# KiCad board panel-74pad-70pin-mezzanine.kicad_pcb (continued)
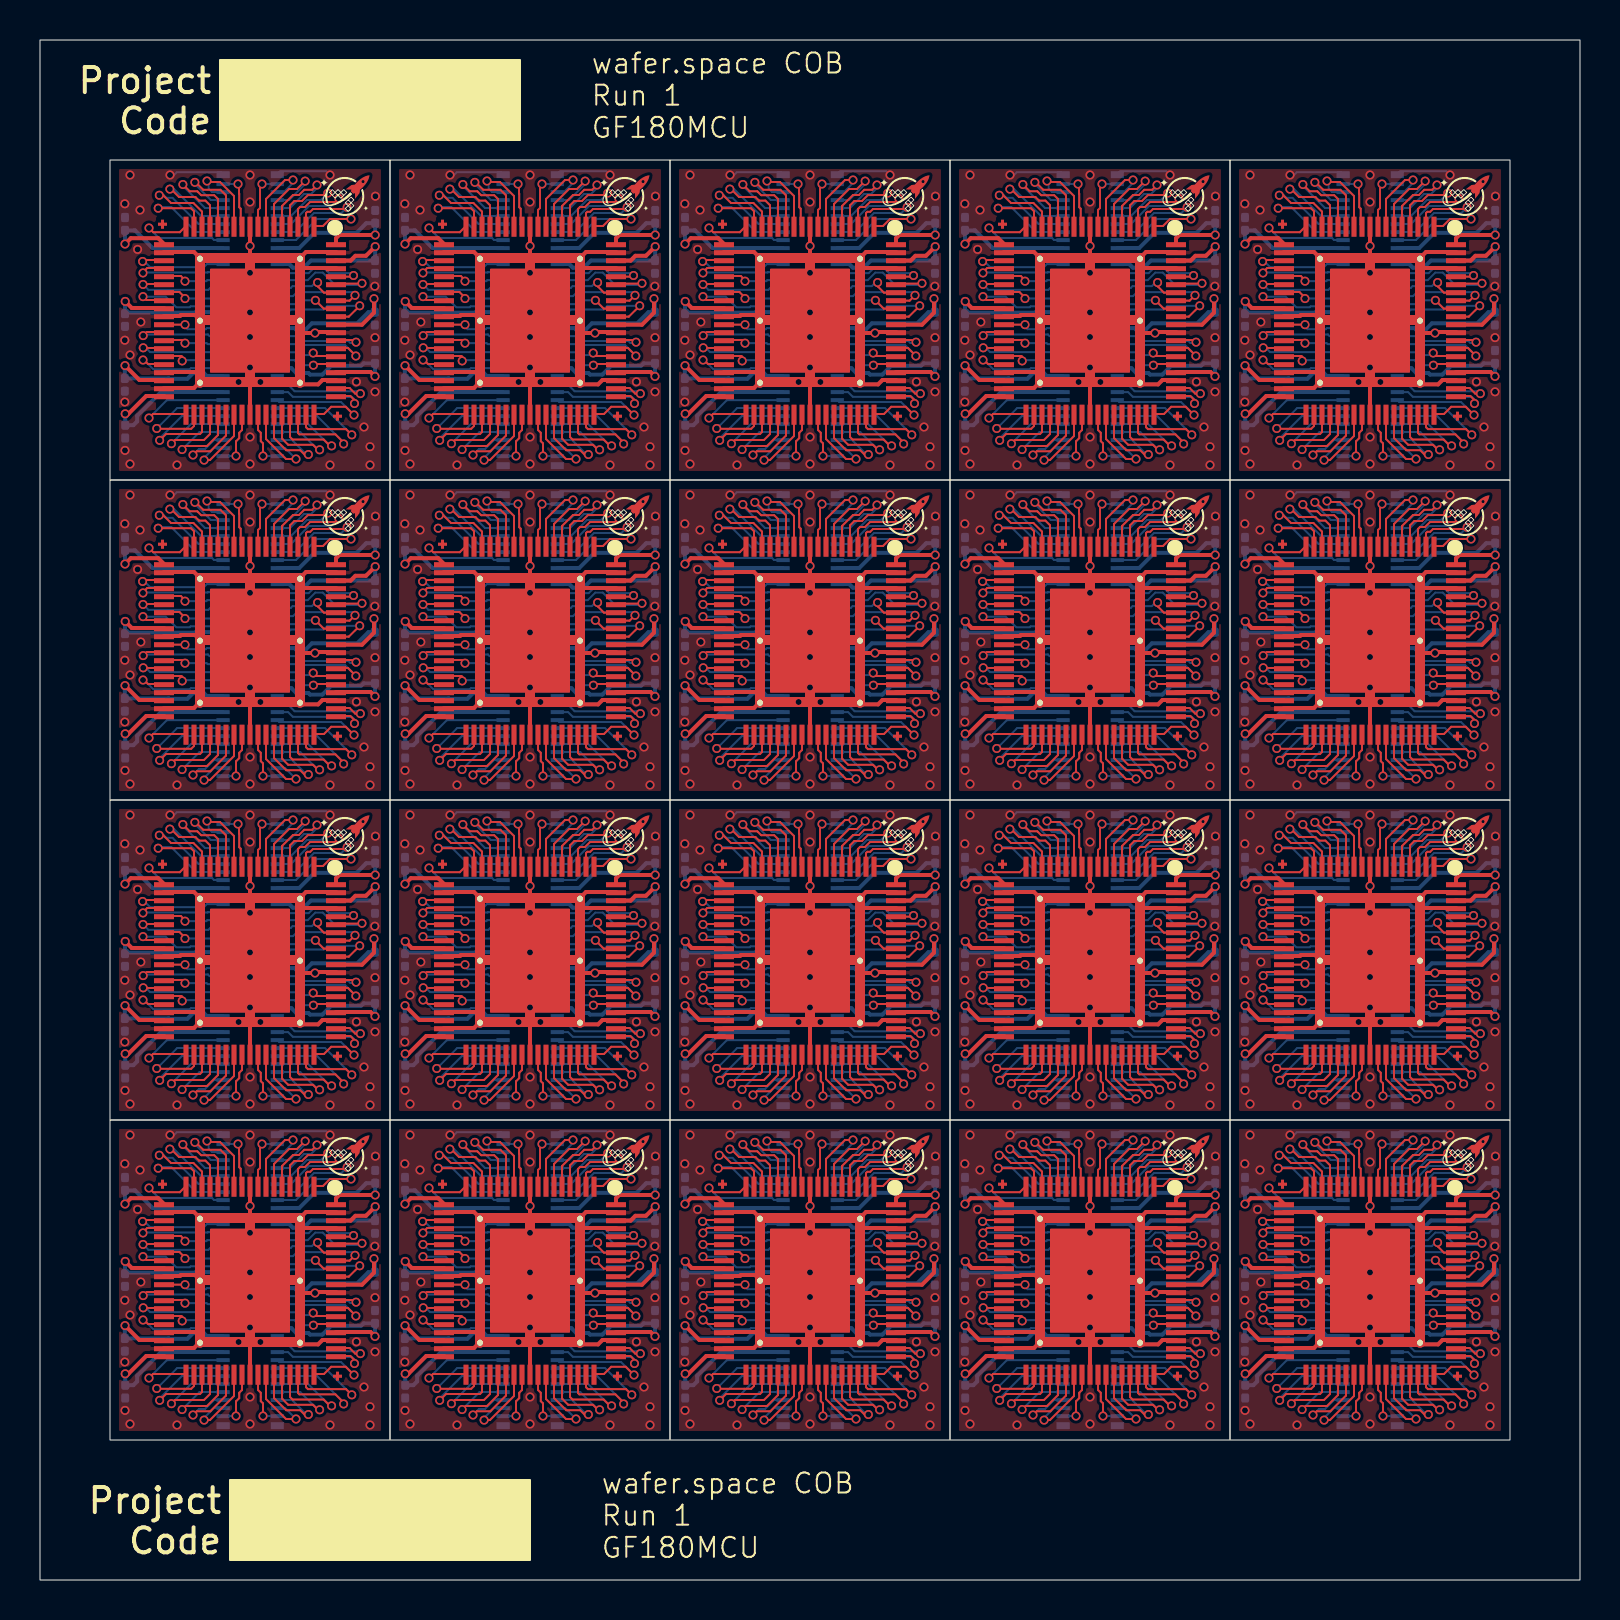
[diagram p0: board, top side]
## Routing (per net, layer and track width the routed paths; a pad name or vN(x,y) marks a point on that pad's centre or on a via; arc(x,y) is an arc through that point) (continued)
/pad_59: length 62.3
  Top w0.1: 42.8,13.2 41.79,13.2 41.66,13.33 v1(41.66,13.35) ; 70.8,61.2 69.78,61.2 69.66,61.33 v1(69.66,61.35) ; 70.8,45.2 69.78,45.2 69.66,45.33 v1(69.66,45.35) ; v1(13.66,29.35) 13.66,29.33 13.79,29.2 14.8,29.2 ; 14.8,45.2 13.79,45.2 13.66,45.33 v1(13.66,45.35) ; v1(27.66,61.35) 27.66,61.33 27.79,61.2 28.8,61.2 ; 42.8,61.2 41.79,61.2 41.66,61.33 v1(41.66,61.35) ; 28.8,45.2 27.79,45.2 27.66,45.33 v1(27.66,45.35) ; 56.8,61.2 55.79,61.2 55.66,61.33 v1(55.66,61.35) ; v1(69.66,29.35) 69.66,29.33 69.78,29.2 70.8,29.2 ; v1(41.66,29.35) 41.66,29.33 41.79,29.2 42.8,29.2 ; 28.8,29.2 27.79,29.2 27.66,29.33 v1(27.66,29.35) ; 28.8,13.2 27.79,13.2 27.66,13.33 v1(27.66,13.35) ; v1(55.66,45.35) 55.66,45.33 55.79,45.2 56.8,45.2 ; v1(13.66,13.35) 13.66,13.33 13.79,13.2 14.8,13.2 ; 14.8,61.2 13.79,61.2 13.66,61.33 v1(13.66,61.35) ; 42.8,45.2 41.79,45.2 41.66,45.33 v1(41.66,45.35) ; v1(69.66,13.35) 69.66,13.33 69.78,13.2 70.8,13.2 ; 56.8,29.2 55.79,29.2 55.66,29.33 v1(55.66,29.35) ; 56.8,13.2 55.79,13.2 55.66,13.33 v1(55.66,13.35)
  Bottom w0.1: 39.87,45.39 39.87,45.39 40.86,45.39 41,45.25 41.56,45.25 v1(41.66,45.35) ; v1(27.66,45.35) 27.56,45.25 27,45.25 26.86,45.39 25.87,45.39 25.87,45.39 ; v1(13.66,45.35) 13.56,45.25 13,45.25 12.86,45.39 11.87,45.39 11.87,45.39 ; v1(41.66,13.35) 41.56,13.25 41,13.25 40.86,13.39 39.87,13.39 39.87,13.39 ; v1(69.66,29.35) 69.56,29.25 69,29.25 68.86,29.39 67.88,29.39 67.87,29.39 ; v1(27.66,13.35) 27.56,13.25 27,13.25 26.86,13.39 25.87,13.39 25.87,13.39 ; v1(55.66,45.35) 55.56,45.25 55,45.25 54.86,45.39 53.87,45.39 53.87,45.39 ; U105.22 39.87,61.38 40.86,61.38 41,61.25 41.56,61.25 v1(41.66,61.35) ; U101.22 11.87,61.38 12.86,61.38 13,61.25 13.56,61.25 v1(13.66,61.35) ; v1(27.66,29.35) 27.56,29.25 27,29.25 26.86,29.39 25.87,29.39 25.87,29.39 ; v1(27.66,61.35) 27.56,61.25 27,61.25 26.86,61.38 25.87,61.38 U103.22 ; v1(69.66,45.35) 69.56,45.25 69,45.25 68.86,45.39 67.88,45.39 67.87,45.39 ; 53.87,29.39 53.87,29.39 54.86,29.39 55,29.25 55.56,29.25 v1(55.66,29.35) ; 53.87,13.39 53.87,13.39 54.86,13.39 55,13.25 55.56,13.25 v1(55.66,13.35) ; v1(41.66,29.35) 41.56,29.25 41,29.25 40.86,29.39 39.87,29.39 39.87,29.39 ; 11.87,13.39 11.87,13.39 12.86,13.39 13,13.25 13.56,13.25 v1(13.66,13.35) ; v1(13.66,29.35) 13.56,29.25 13,29.25 12.86,29.39 11.87,29.39 11.87,29.39 ; U107.22 53.87,61.38 54.86,61.38 55,61.25 55.56,61.25 v1(55.66,61.35) ; U109.22 67.88,61.38 68.86,61.38 69,61.25 69.56,61.25 v1(69.66,61.35) ; 67.87,13.39 67.88,13.39 68.86,13.39 69,13.25 69.56,13.25 v1(69.66,13.35)
/pad_60: length 109.2
  Top w0.1: v1(71.79,13.2) 71.79,13.28 71.8,13.29 71.71,13.29 71.4,13.6 70.8,13.6 ; v1(29.79,29.2) 29.79,29.28 29.8,29.29 29.71,29.29 29.4,29.6 28.8,29.6 ; 56.8,13.6 57.4,13.6 57.71,13.29 57.8,13.29 57.79,13.28 v1(57.79,13.2) ; 56.8,61.6 57.4,61.6 57.71,61.29 57.8,61.29 57.79,61.28 v1(57.79,61.2) ; v1(29.79,61.2) 29.79,61.28 29.8,61.29 29.71,61.29 29.4,61.6 28.8,61.6 ; v1(29.79,45.2) 29.79,45.28 29.8,45.29 29.71,45.29 29.4,45.6 28.8,45.6 ; v1(71.79,61.2) 71.79,61.28 71.8,61.29 71.71,61.29 71.4,61.6 70.8,61.6 ; 14.8,61.6 15.4,61.6 15.71,61.29 15.8,61.29 15.79,61.28 v1(15.79,61.2) ; v1(29.79,13.2) 29.79,13.28 29.8,13.29 29.71,13.29 29.4,13.6 28.8,13.6 ; v1(15.79,13.2) 15.79,13.28 15.8,13.29 15.71,13.29 15.4,13.6 14.8,13.6 ; 42.8,29.6 43.4,29.6 43.71,29.29 43.8,29.29 43.79,29.28 v1(43.79,29.2) ; v1(43.79,13.2) 43.79,13.28 43.8,13.29 43.71,13.29 43.4,13.6 42.8,13.6 ; v1(15.79,45.2) 15.79,45.28 15.8,45.29 15.71,45.29 15.4,45.6 14.8,45.6 ; 14.8,29.6 15.4,29.6 15.71,29.29 15.8,29.29 15.79,29.28 v1(15.79,29.2) ; 56.8,45.6 57.4,45.6 57.71,45.29 57.8,45.29 57.79,45.28 v1(57.79,45.2) ; 42.8,45.6 43.4,45.6 43.71,45.29 43.8,45.29 43.79,45.28 v1(43.79,45.2) ; v1(71.79,45.2) 71.79,45.28 71.8,45.29 71.71,45.29 71.4,45.6 70.8,45.6 ; v1(57.79,29.2) 57.79,29.28 57.8,29.29 57.71,29.29 57.4,29.6 56.8,29.6 ; v1(71.79,29.2) 71.79,29.28 71.8,29.29 71.71,29.29 71.4,29.6 70.8,29.6 ; v1(43.79,61.2) 43.79,61.28 43.8,61.29 43.71,61.29 43.4,61.6 42.8,61.6
  Bottom w0.1: U125.21 40.95,29.8 40.99,29.75 43.25,29.75 43.71,29.29 43.8,29.29 43.79,29.28 v1(43.79,29.2) ; v1(29.79,45.2) 29.79,45.28 29.8,45.29 29.71,45.29 29.25,45.75 26.99,45.75 26.95,45.8 U113.21 ; U117.21 54.95,45.8 54.99,45.75 57.25,45.75 57.71,45.29 57.8,45.29 57.79,45.28 v1(57.79,45.2) ; v1(43.79,61.2) 43.79,61.28 43.8,61.29 43.71,61.29 43.25,61.75 40.99,61.75 40.95,61.8 U105.21 ; v1(15.79,29.2) 15.79,29.28 15.8,29.29 15.71,29.29 15.25,29.75 12.99,29.75 12.95,29.8 U121.21 ; U107.21 54.95,61.8 54.99,61.75 57.25,61.75 57.71,61.29 57.8,61.29 57.79,61.28 v1(57.79,61.2) ; v1(71.79,45.2) 71.79,45.28 71.8,45.29 71.71,45.29 71.25,45.75 69,45.75 68.95,45.8 U119.21 ; v1(57.79,13.2) 57.79,13.28 57.8,13.29 57.71,13.29 57.25,13.75 54.99,13.75 54.95,13.8 U137.21 ; v1(29.79,61.2) 29.79,61.28 29.8,61.29 29.71,61.29 29.25,61.75 26.99,61.75 26.95,61.8 U103.21 ; v1(15.79,13.2) 15.79,13.28 15.8,13.29 15.71,13.29 15.25,13.75 12.99,13.75 12.95,13.8 U131.21 ; U101.21 12.95,61.8 12.99,61.75 15.25,61.75 15.71,61.29 15.8,61.29 15.79,61.28 v1(15.79,61.2) ; U115.21 40.95,45.8 40.99,45.75 43.25,45.75 43.71,45.29 43.8,45.29 43.79,45.28 v1(43.79,45.2) ; U109.21 68.95,61.8 69,61.75 71.25,61.75 71.71,61.29 71.8,61.29 71.79,61.28 v1(71.79,61.2) ; v1(15.79,45.2) 15.79,45.28 15.8,45.29 15.71,45.29 15.25,45.75 12.99,45.75 12.95,45.8 U111.21 ; v1(29.79,29.2) 29.79,29.28 29.8,29.29 29.71,29.29 29.25,29.75 26.99,29.75 26.95,29.8 U123.21 ; v1(29.79,13.2) 29.79,13.28 29.8,13.29 29.71,13.29 29.25,13.75 26.99,13.75 26.95,13.8 U133.21 ; v1(71.79,29.2) 71.79,29.28 71.8,29.29 71.71,29.29 71.25,29.75 69,29.75 68.95,29.8 U129.21 ; v1(43.79,13.2) 43.79,13.28 43.8,13.29 43.71,13.29 43.25,13.75 40.99,13.75 40.95,13.8 U135.21 ; v1(57.79,29.2) 57.79,29.28 57.8,29.29 57.71,29.29 57.25,29.75 54.99,29.75 54.95,29.8 U127.21 ; U139.21 68.95,13.8 69,13.75 71.25,13.75 71.71,13.29 71.8,13.29 71.79,13.28 v1(71.79,13.2)
/pad_61: length 104.4
  Top w0.1: 56.8,30 57.71,30 57.8,29.9 v1(57.8,29.89) ; 42.8,62 43.71,62 43.8,61.9 v1(43.8,61.89) ; 42.8,30 43.71,30 43.8,29.9 v1(43.8,29.89) ; v1(43.8,13.89) 43.8,13.9 43.71,14 42.8,14 ; 28.8,14 29.71,14 29.8,13.9 v1(29.8,13.89) ; 56.8,46 57.71,46 57.8,45.9 v1(57.8,45.89) ; 70.8,30 71.71,30 71.8,29.9 v1(71.8,29.89) ; 28.8,62 29.71,62 29.8,61.9 v1(29.8,61.89) ; v1(71.8,13.89) 71.8,13.9 71.71,14 70.8,14 ; 14.8,62 15.71,62 15.8,61.9 v1(15.8,61.89) ; 14.8,30 15.71,30 15.8,29.9 v1(15.8,29.89) ; 70.8,62 71.71,62 71.8,61.9 v1(71.8,61.89) ; v1(29.8,29.89) 29.8,29.9 29.71,30 28.8,30 ; v1(43.8,45.89) 43.8,45.9 43.71,46 42.8,46 ; 70.8,46 71.71,46 71.8,45.9 v1(71.8,45.89) ; v1(15.8,13.89) 15.8,13.9 15.71,14 14.8,14 ; 28.8,46 29.71,46 29.8,45.9 v1(29.8,45.89) ; v1(57.8,61.89) 57.8,61.9 57.71,62 56.8,62 ; v1(57.8,13.89) 57.8,13.9 57.71,14 56.8,14 ; 14.8,46 15.71,46 15.8,45.9 v1(15.8,45.89)
  Bottom w0.1: U113.20 27,46.2 27.24,45.95 29.42,45.95 29.52,45.85 29.71,45.85 29.8,45.94 v1(29.8,45.89) ; U107.20 55,62.2 55.24,61.95 57.42,61.95 57.52,61.85 57.71,61.85 57.8,61.94 v1(57.8,61.89) ; U117.20 55,46.2 55.24,45.95 57.42,45.95 57.52,45.85 57.71,45.85 57.8,45.94 v1(57.8,45.89) ; v1(71.8,45.89) 71.8,45.94 71.71,45.85 71.52,45.85 71.42,45.95 69.24,45.95 69,46.2 U119.20 ; U139.20 69,14.2 69.24,13.95 71.42,13.95 71.52,13.85 71.71,13.85 71.8,13.94 v1(71.8,13.89) ; U121.20 13,30.2 13.24,29.95 15.42,29.95 15.52,29.85 15.71,29.85 15.8,29.94 v1(15.8,29.89) ; U135.20 41,14.2 41.24,13.95 43.42,13.95 43.52,13.85 43.71,13.85 43.8,13.94 v1(43.8,13.89) ; v1(15.8,45.89) 15.8,45.94 15.71,45.85 15.52,45.85 15.42,45.95 13.24,45.95 13,46.2 U111.20 ; U125.20 41,30.2 41.24,29.95 43.42,29.95 43.52,29.85 43.71,29.85 43.8,29.94 v1(43.8,29.89) ; U109.20 69,62.2 69.24,61.95 71.42,61.95 71.52,61.85 71.71,61.85 71.8,61.94 v1(71.8,61.89) ; v1(29.8,29.89) 29.8,29.94 29.71,29.85 29.52,29.85 29.42,29.95 27.24,29.95 27,30.2 U123.20 ; v1(15.8,61.89) 15.8,61.94 15.71,61.85 15.52,61.85 15.42,61.95 13.24,61.95 13,62.2 U101.20 ; U137.20 55,14.2 55.24,13.95 57.42,13.95 57.52,13.85 57.71,13.85 57.8,13.94 v1(57.8,13.89) ; v1(57.8,29.89) 57.8,29.94 57.71,29.85 57.52,29.85 57.42,29.95 55.24,29.95 55,30.2 U127.20 ; U133.20 27,14.2 27.24,13.95 29.42,13.95 29.52,13.85 29.71,13.85 29.8,13.94 v1(29.8,13.89) ; v1(29.8,61.89) 29.8,61.94 29.71,61.85 29.52,61.85 29.42,61.95 27.24,61.95 27,62.2 U103.20 ; U131.20 13,14.2 13.24,13.95 15.42,13.95 15.52,13.85 15.71,13.85 15.8,13.94 v1(15.8,13.89) ; v1(43.8,61.89) 43.8,61.94 43.71,61.85 43.52,61.85 43.42,61.95 41.24,61.95 41,62.2 U105.20 ; U129.20 69,30.2 69.24,29.95 71.42,29.95 71.52,29.85 71.71,29.85 71.8,29.94 v1(71.8,29.89) ; U115.20 41,46.2 41.24,45.95 43.42,45.95 43.52,45.85 43.71,45.85 43.8,45.94 v1(43.8,45.89)
/pad_64: length 113.3
  Top w0.1: v1(71.99,63.71) 71.44,63.16 U110.65 ; U138.65 57.44,15.17 v1(57.99,15.71) ; v1(71.99,15.71) 71.44,15.17 U140.65 ; U106.65 43.44,63.16 v1(43.99,63.71) ; v1(43.99,47.71) 43.44,47.17 U116.65 ; U132.65 15.44,15.17 v1(15.99,15.71) ; U124.65 29.44,31.17 v1(29.99,31.71) ; v1(57.99,31.71) 57.44,31.17 U128.65 ; v1(43.99,31.71) 43.44,31.17 U126.65 ; v1(29.99,63.71) 29.44,63.16 U104.65 ; v1(15.99,63.71) 15.44,63.16 U102.65 ; v1(15.99,47.71) 15.44,47.17 U112.65 ; U114.65 29.44,47.17 v1(29.99,47.71) ; U118.65 57.44,47.17 v1(57.99,47.71) ; v1(43.99,15.71) 43.44,15.17 U136.65 ; v1(15.99,31.71) 15.44,31.17 U122.65 ; U108.65 57.44,63.16 v1(57.99,63.71) ; v1(71.99,31.71) 71.44,31.17 U130.65 ; U120.65 71.44,47.17 v1(71.99,47.71) ; v1(29.99,15.71) 29.44,15.17 U134.65
  Bottom w0.1: 25.87,47.39 26.41,47.39 26.54,47.53 28.19,47.53 28.38,47.71 v1(29.99,47.71) ; v1(15.99,15.71) 14.38,15.71 14.19,15.53 12.54,15.53 12.41,15.39 11.87,15.39 ; v1(71.99,63.71) 70.38,63.71 70.19,63.52 68.54,63.52 68.41,63.4 U109.17 ; 67.87,31.39 68.41,31.39 68.54,31.53 70.19,31.53 70.38,31.71 v1(71.99,31.71) ; 39.87,15.39 40.41,15.39 40.54,15.53 42.19,15.53 42.38,15.71 v1(43.99,15.71) ; v1(15.99,47.71) 14.38,47.71 14.19,47.53 12.54,47.53 12.41,47.39 11.87,47.39 ; v1(43.99,31.71) 42.38,31.71 42.19,31.53 40.54,31.53 40.41,31.39 39.87,31.39 ; 25.87,15.39 26.41,15.39 26.54,15.53 28.19,15.53 28.38,15.71 v1(29.99,15.71) ; U107.17 54.41,63.4 54.54,63.52 56.19,63.52 56.38,63.71 v1(57.99,63.71) ; v1(29.99,63.71) 28.38,63.71 28.19,63.52 26.54,63.52 26.41,63.4 U103.17 ; v1(43.99,47.71) 42.38,47.71 42.19,47.53 40.54,47.53 40.41,47.39 39.87,47.39 ; v1(15.99,31.71) 14.38,31.71 14.19,31.53 12.54,31.53 12.41,31.39 11.87,31.39 ; v1(29.99,31.71) 28.38,31.71 28.19,31.53 26.54,31.53 26.41,31.39 25.87,31.39 ; v1(57.99,15.71) 56.38,15.71 56.19,15.53 54.54,15.53 54.41,15.39 53.87,15.39 ; 67.87,47.39 68.41,47.39 68.54,47.53 70.19,47.53 70.38,47.71 v1(71.99,47.71) ; v1(57.99,47.71) 56.38,47.71 56.19,47.53 54.54,47.53 54.41,47.39 53.87,47.39 ; U101.17 12.41,63.4 12.54,63.52 14.19,63.52 14.38,63.71 v1(15.99,63.71) ; v1(57.99,31.71) 56.38,31.71 56.19,31.53 54.54,31.53 54.41,31.39 53.87,31.39 ; v1(71.99,15.71) 70.38,15.71 70.19,15.53 68.54,15.53 68.41,15.39 67.87,15.39 ; U105.17 40.41,63.4 40.54,63.52 42.19,63.52 42.38,63.71 v1(43.99,63.71)
/pad_65: length 63.8
  Top w0.1: v1(13.77,47.98) 14.19,47.56 U112.66 ; U122.66 14.19,31.56 v1(13.77,31.98) ; U118.66 56.19,47.56 v1(55.77,47.98) ; v1(41.77,15.98) 42.19,15.56 U136.66 ; U134.66 28.19,15.56 v1(27.77,15.98) ; U138.66 56.19,15.56 v1(55.77,15.98) ; v1(69.77,63.98) 70.19,63.56 U110.66 ; v1(69.77,47.98) 70.19,47.56 U120.66 ; U108.66 56.19,63.56 v1(55.77,63.98) ; v1(41.77,31.98) 42.19,31.56 U126.66 ; U104.66 28.19,63.56 v1(27.77,63.98) ; v1(27.77,47.98) 28.19,47.56 U114.66 ; v1(69.77,15.98) 70.19,15.56 U140.66 ; v1(13.77,63.98) 14.19,63.56 U102.66 ; U106.66 42.19,63.56 v1(41.77,63.98) ; v1(41.77,47.98) 42.19,47.56 U116.66 ; v1(13.77,15.98) 14.19,15.56 U132.66 ; U128.66 56.19,31.56 v1(55.77,31.98) ; U124.66 28.19,31.56 v1(27.77,31.98) ; v1(69.77,31.98) 70.19,31.56 U130.66
  Bottom w0.1: v1(55.77,31.98) 55.09,31.98 54.9,31.8 U127.16 ; v1(69.77,31.98) 69.09,31.98 68.9,31.8 U129.16 ; U115.16 40.9,47.8 41.09,47.98 v1(41.77,47.98) ; v1(69.77,63.98) 69.09,63.98 68.9,63.8 U109.16 ; U131.16 12.9,15.8 13.09,15.98 v1(13.77,15.98) ; U111.16 12.9,47.8 13.09,47.98 v1(13.77,47.98) ; U123.16 26.9,31.8 27.09,31.98 v1(27.77,31.98) ; U101.16 12.9,63.8 13.09,63.98 v1(13.77,63.98) ; U135.16 40.9,15.8 41.09,15.98 v1(41.77,15.98) ; v1(41.77,31.98) 41.09,31.98 40.9,31.8 U125.16 ; U139.16 68.9,15.8 69.09,15.98 v1(69.77,15.98) ; v1(13.77,31.98) 13.09,31.98 12.9,31.8 U121.16 ; v1(69.77,47.98) 69.09,47.98 68.9,47.8 U119.16 ; v1(55.77,63.98) 55.09,63.98 54.9,63.8 U107.16 ; U117.16 54.9,47.8 55.09,47.98 v1(55.77,47.98) ; v1(55.77,15.98) 55.09,15.98 54.9,15.8 U137.16 ; v1(41.77,63.98) 41.09,63.98 40.9,63.8 U105.16 ; U133.16 26.9,15.8 27.09,15.98 v1(27.77,15.98) ; U113.16 26.9,47.8 27.09,47.98 v1(27.77,47.98) ; v1(27.77,63.98) 27.09,63.98 26.9,63.8 U103.16
/pad_66: length 101.9
  Top w0.1: U134.67 29.48,15.97 v1(29.75,16.23) ; U116.67 43.48,47.97 v1(43.75,48.23) ; U140.67 71.48,15.97 v1(71.75,16.23) ; U122.67 15.48,31.97 v1(15.75,32.23) ; v1(43.75,64.23) 43.48,63.97 U106.67 ; v1(43.75,32.23) 43.48,31.97 U126.67 ; v1(29.75,32.23) 29.48,31.97 U124.67 ; U108.67 57.48,63.97 v1(57.75,64.23) ; U138.67 57.48,15.97 v1(57.75,16.23) ; U112.67 15.48,47.97 v1(15.75,48.23) ; v1(15.75,16.23) 15.48,15.97 U132.67 ; U102.67 15.48,63.97 v1(15.75,64.23) ; v1(71.75,64.23) 71.48,63.97 U110.67 ; v1(29.75,48.23) 29.48,47.97 U114.67 ; U120.67 71.48,47.97 v1(71.75,48.23) ; U104.67 29.48,63.97 v1(29.75,64.23) ; v1(43.75,16.23) 43.48,15.97 U136.67 ; U128.67 57.48,31.97 v1(57.75,32.23) ; U118.67 57.48,47.97 v1(57.75,48.23) ; U130.67 71.48,31.97 v1(71.75,32.23)
  Bottom w0.1: U111.15 12.65,48.2 12.85,48.39 15.59,48.39 v1(15.75,48.23) ; v1(71.75,32.23) 71.59,32.39 68.85,32.39 68.65,32.2 U129.15 ; U139.15 68.65,16.2 68.85,16.39 71.59,16.39 v1(71.75,16.23) ; v1(43.75,48.23) 43.59,48.39 40.85,48.39 40.65,48.2 U115.15 ; U127.15 54.65,32.2 54.85,32.39 57.59,32.39 v1(57.75,32.23) ; U121.15 12.65,32.2 12.85,32.39 15.59,32.39 v1(15.75,32.23) ; v1(57.75,64.23) 57.59,64.4 54.85,64.4 54.65,64.19 U107.15 ; U131.15 12.65,16.2 12.85,16.39 15.59,16.39 v1(15.75,16.23) ; v1(57.75,16.23) 57.59,16.39 54.85,16.39 54.65,16.2 U137.15 ; v1(43.75,64.23) 43.59,64.4 40.85,64.4 40.65,64.19 U105.15 ; v1(43.75,16.23) 43.59,16.39 40.85,16.39 40.65,16.2 U135.15 ; v1(57.75,48.23) 57.59,48.39 54.85,48.39 54.65,48.2 U117.15 ; U113.15 26.65,48.2 26.85,48.39 29.59,48.39 v1(29.75,48.23) ; U119.15 68.65,48.2 68.85,48.39 71.59,48.39 v1(71.75,48.23) ; v1(71.75,64.23) 71.59,64.4 68.85,64.4 68.65,64.19 U109.15 ; v1(43.75,32.23) 43.59,32.39 40.85,32.39 40.65,32.2 U125.15 ; v1(29.75,64.23) 29.59,64.4 26.85,64.4 26.65,64.19 U103.15 ; U101.15 12.65,64.19 12.85,64.4 15.59,64.4 v1(15.75,64.23) ; v1(29.75,32.23) 29.59,32.39 26.85,32.39 26.65,32.2 U123.15 ; v1(29.75,16.23) 29.59,16.39 26.85,16.39 26.65,16.2 U133.15
/pad_67: length 67.5
  Top w0.1: U116.68 42.2,48.36 41.88,48.69 v1(41.88,48.88) ; v1(13.88,48.88) 13.88,48.69 14.2,48.36 U112.68 ; U102.68 14.2,64.37 13.88,64.69 v1(13.88,64.88) ; U130.68 70.2,32.36 69.88,32.69 v1(69.88,32.88) ; U114.68 28.2,48.36 27.88,48.69 v1(27.88,48.88) ; U122.68 14.2,32.36 13.88,32.69 v1(13.88,32.88) ; U140.68 70.2,16.36 69.88,16.69 v1(69.88,16.88) ; v1(69.88,48.88) 69.88,48.69 70.2,48.36 U120.68 ; U128.68 56.2,32.36 55.88,32.69 v1(55.88,32.88) ; U108.68 56.2,64.37 55.88,64.69 v1(55.88,64.88) ; U104.68 28.2,64.37 27.88,64.69 v1(27.88,64.88) ; v1(55.88,48.88) 55.88,48.69 56.2,48.36 U118.68 ; U126.68 42.2,32.36 41.88,32.69 v1(41.88,32.88) ; U132.68 14.2,16.36 13.88,16.69 v1(13.88,16.88) ; v1(27.88,16.88) 27.88,16.69 28.2,16.36 U134.68 ; U136.68 42.2,16.36 41.88,16.69 v1(41.88,16.88) ; U110.68 70.2,64.37 69.88,64.69 v1(69.88,64.88) ; U124.68 28.2,32.36 27.88,32.69 v1(27.88,32.88) ; v1(41.88,64.88) 41.88,64.69 42.2,64.37 U106.68 ; U138.68 56.2,16.36 55.88,16.69 v1(55.88,16.88)
  Bottom w0.1: v1(13.88,16.88) 13.77,16.88 13.59,16.7 12.63,16.7 12.54,16.61 11.87,16.61 U131.14 ; U109.14 67.88,64.61 68.54,64.61 68.63,64.69 69.59,64.69 69.77,64.88 v1(69.88,64.88) ; U103.14 25.87,64.61 26.54,64.61 26.63,64.69 27.59,64.69 27.77,64.88 v1(27.88,64.88) ; U101.14 11.87,64.61 12.54,64.61 12.63,64.69 13.59,64.69 13.77,64.88 v1(13.88,64.88) ; U121.14 11.87,32.61 12.54,32.61 12.63,32.7 13.59,32.7 13.77,32.88 v1(13.88,32.88) ; v1(41.88,32.88) 41.77,32.88 41.59,32.7 40.63,32.7 40.54,32.61 39.87,32.61 U125.14 ; v1(27.88,48.88) 27.77,48.88 27.59,48.7 26.63,48.7 26.54,48.61 25.87,48.61 U113.14 ; v1(69.88,48.88) 69.77,48.88 69.59,48.7 68.63,48.7 68.54,48.61 67.88,48.61 U119.14 ; U127.14 53.87,32.61 54.54,32.61 54.63,32.7 55.59,32.7 55.77,32.88 v1(55.88,32.88) ; U139.14 67.88,16.61 68.54,16.61 68.63,16.7 69.59,16.7 69.77,16.88 v1(69.88,16.88) ; v1(69.88,32.88) 69.77,32.88 69.59,32.7 68.63,32.7 68.54,32.61 67.88,32.61 U129.14 ; U133.14 25.87,16.61 26.54,16.61 26.63,16.7 27.59,16.7 27.77,16.88 v1(27.88,16.88) ; U107.14 53.87,64.61 54.54,64.61 54.63,64.69 55.59,64.69 55.77,64.88 v1(55.88,64.88) ; U115.14 39.87,48.61 40.54,48.61 40.63,48.7 41.59,48.7 41.77,48.88 v1(41.88,48.88) ; v1(55.88,48.88) 55.77,48.88 55.59,48.7 54.63,48.7 54.54,48.61 53.87,48.61 U117.14 ; v1(27.88,32.88) 27.77,32.88 27.59,32.7 26.63,32.7 26.54,32.61 25.87,32.61 U123.14 ; v1(55.88,16.88) 55.77,16.88 55.59,16.7 54.63,16.7 54.54,16.61 53.87,16.61 U137.14 ; U105.14 39.87,64.61 40.54,64.61 40.63,64.69 41.59,64.69 41.77,64.88 v1(41.88,64.88) ; U135.14 39.87,16.61 40.54,16.61 40.63,16.7 41.59,16.7 41.77,16.88 v1(41.88,16.88) ; v1(13.88,48.88) 13.77,48.88 13.59,48.7 12.63,48.7 12.54,48.61 11.87,48.61 U111.14
/pad_68: length 120.2
  Top w0.1: U108.69 56.85,64.81 58.08,64.81 v1(58.1,64.84) ; v1(72.1,64.84) 72.08,64.81 70.85,64.81 U110.69 ; v1(44.1,32.84) 44.08,32.81 42.85,32.81 U126.69 ; v1(16.1,32.84) 16.08,32.81 14.85,32.81 U122.69 ; U134.69 28.85,16.81 30.08,16.81 v1(30.1,16.84) ; U138.69 56.85,16.81 58.08,16.81 v1(58.1,16.84) ; v1(16.1,16.84) 16.08,16.81 14.85,16.81 U132.69 ; U106.69 42.85,64.81 44.08,64.81 v1(44.1,64.84) ; U112.69 14.85,48.81 16.08,48.81 v1(16.1,48.84) ; v1(72.1,32.84) 72.08,32.81 70.85,32.81 U130.69 ; U136.69 42.85,16.81 44.08,16.81 v1(44.1,16.84) ; v1(30.1,64.84) 30.08,64.81 28.85,64.81 U104.69 ; v1(30.1,48.84) 30.08,48.81 28.85,48.81 U114.69 ; v1(44.1,48.84) 44.08,48.81 42.85,48.81 U116.69 ; U120.69 70.85,48.81 72.08,48.81 v1(72.1,48.84) ; v1(30.1,32.84) 30.08,32.81 28.85,32.81 U124.69 ; v1(72.1,16.84) 72.08,16.81 70.85,16.81 U140.69 ; U128.69 56.85,32.81 58.08,32.81 v1(58.1,32.84) ; U102.69 14.85,64.81 16.08,64.81 v1(16.1,64.84) ; v1(58.1,48.84) 58.08,48.81 56.85,48.81 U118.69
  Bottom w0.1: v1(72.1,32.84) 72.01,32.75 70.76,32.75 70.14,33.37 69.77,33.37 69.39,33 U129.13 ; U137.13 55.39,17 55.76,17.37 56.14,17.37 56.76,16.75 58.01,16.75 v1(58.1,16.84) ; U121.13 13.39,33 13.76,33.37 14.14,33.37 14.76,32.75 16.01,32.75 v1(16.1,32.84) ; U135.13 41.39,17 41.76,17.37 42.14,17.37 42.76,16.75 44.01,16.75 v1(44.1,16.84) ; U109.13 69.39,65 69.77,65.37 70.14,65.37 70.76,64.75 72.01,64.75 v1(72.1,64.84) ; U111.13 13.39,49 13.76,49.37 14.14,49.37 14.76,48.75 16.01,48.75 v1(16.1,48.84) ; v1(16.1,64.84) 16.01,64.75 14.76,64.75 14.14,65.37 13.76,65.37 13.39,65 U101.13 ; v1(30.1,16.84) 30.01,16.75 28.76,16.75 28.14,17.37 27.76,17.37 27.39,17 U133.13 ; v1(72.1,16.84) 72.01,16.75 70.76,16.75 70.14,17.37 69.77,17.37 69.39,17 U139.13 ; v1(72.1,48.84) 72.01,48.75 70.76,48.75 70.14,49.37 69.77,49.37 69.39,49 U119.13 ; U117.13 55.39,49 55.76,49.37 56.14,49.37 56.76,48.75 58.01,48.75 v1(58.1,48.84) ; v1(30.1,32.84) 30.01,32.75 28.76,32.75 28.14,33.37 27.76,33.37 27.39,33 U123.13 ; v1(30.1,64.84) 30.01,64.75 28.76,64.75 28.14,65.37 27.76,65.37 27.39,65 U103.13 ; v1(58.1,32.84) 58.01,32.75 56.76,32.75 56.14,33.37 55.76,33.37 55.39,33 U127.13 ; v1(44.1,48.84) 44.01,48.75 42.76,48.75 42.14,49.37 41.76,49.37 41.39,49 U115.13 ; v1(44.1,32.84) 44.01,32.75 42.76,32.75 42.14,33.37 41.76,33.37 41.39,33 U125.13 ; U113.13 27.39,49 27.76,49.37 28.14,49.37 28.76,48.75 30.01,48.75 v1(30.1,48.84) ; U105.13 41.39,65 41.76,65.37 42.14,65.37 42.76,64.75 44.01,64.75 v1(44.1,64.84) ; v1(16.1,16.84) 16.01,16.75 14.76,16.75 14.14,17.37 13.76,17.37 13.39,17 U131.13 ; U107.13 55.39,65 55.76,65.37 56.14,65.37 56.76,64.75 58.01,64.75 v1(58.1,64.84)
/pad_69: length 99.3
  Top w0.1: U112.70 15.61,49.17 v1(15.68,49.23) ; v1(57.68,17.23) 57.61,17.17 U138.70 ; U130.70 71.61,33.17 v1(71.68,33.23) ; v1(29.68,17.23) 29.61,17.17 U134.70 ; U116.70 43.61,49.17 v1(43.68,49.23) ; v1(71.68,49.23) 71.61,49.17 U120.70 ; U110.70 71.61,65.16 v1(71.68,65.23) ; v1(15.68,65.23) 15.61,65.16 U102.70 ; U132.70 15.61,17.17 v1(15.68,17.23) ; v1(29.68,33.23) 29.61,33.17 U124.70 ; U114.70 29.61,49.17 v1(29.68,49.23) ; U122.70 15.61,33.17 v1(15.68,33.23) ; v1(43.68,17.23) 43.61,17.17 U136.70 ; v1(71.68,17.23) 71.61,17.17 U140.70 ; U126.70 43.61,33.17 v1(43.68,33.23) ; v1(43.68,65.23) 43.61,65.16 U106.70 ; v1(57.68,49.23) 57.61,49.17 U118.70 ; U108.70 57.61,65.16 v1(57.68,65.23) ; v1(29.68,65.23) 29.61,65.16 U104.70 ; U128.70 57.61,33.17 v1(57.68,33.23)
  Bottom w0.1: U105.12 39.91,65.34 41.44,65.34 41.66,65.57 42.22,65.57 42.44,65.34 43.56,65.34 v1(43.68,65.23) ; U101.12 11.91,65.34 13.44,65.34 13.66,65.57 14.22,65.57 14.44,65.34 15.56,65.34 v1(15.68,65.23) ; v1(57.68,49.23) 57.56,49.34 56.44,49.34 56.22,49.57 55.66,49.57 55.44,49.34 53.91,49.34 53.87,49.39 ; U103.12 25.91,65.34 27.44,65.34 27.66,65.57 28.22,65.57 28.44,65.34 29.56,65.34 v1(29.68,65.23) ; v1(43.68,17.23) 43.56,17.34 42.44,17.34 42.22,17.57 41.66,17.57 41.44,17.34 39.91,17.34 39.87,17.39 ; v1(43.68,33.23) 43.56,33.34 42.44,33.34 42.22,33.57 41.66,33.57 41.44,33.34 39.91,33.34 39.87,33.39 ; v1(71.68,49.23) 71.56,49.34 70.44,49.34 70.22,49.57 69.66,49.57 69.44,49.34 67.92,49.34 67.87,49.39 ; v1(71.68,33.23) 71.56,33.34 70.44,33.34 70.22,33.57 69.66,33.57 69.44,33.34 67.92,33.34 67.87,33.39 ; v1(57.68,17.23) 57.56,17.34 56.44,17.34 56.22,17.57 55.66,17.57 55.44,17.34 53.91,17.34 53.87,17.39 ; 67.87,17.39 67.92,17.34 69.44,17.34 69.66,17.57 70.22,17.57 70.44,17.34 71.56,17.34 v1(71.68,17.23) ; v1(15.68,33.23) 15.56,33.34 14.44,33.34 14.22,33.57 13.66,33.57 13.44,33.34 11.91,33.34 11.87,33.39 ; 53.87,33.39 53.91,33.34 55.44,33.34 55.66,33.57 56.22,33.57 56.44,33.34 57.56,33.34 v1(57.68,33.23) ; 25.87,33.39 25.91,33.34 27.44,33.34 27.66,33.57 28.22,33.57 28.44,33.34 29.56,33.34 v1(29.68,33.23) ; v1(29.68,49.23) 29.56,49.34 28.44,49.34 28.22,49.57 27.66,49.57 27.44,49.34 25.91,49.34 25.87,49.39 ; U107.12 53.91,65.34 55.44,65.34 55.66,65.57 56.22,65.57 56.44,65.34 57.56,65.34 v1(57.68,65.23) ; 39.87,49.39 39.91,49.34 41.44,49.34 41.66,49.57 42.22,49.57 42.44,49.34 43.56,49.34 v1(43.68,49.23) ; v1(15.68,49.23) 15.56,49.34 14.44,49.34 14.22,49.57 13.66,49.57 13.44,49.34 11.91,49.34 11.87,49.39 ; v1(15.68,17.23) 15.56,17.34 14.44,17.34 14.22,17.57 13.66,17.57 13.44,17.34 11.91,17.34 11.87,17.39 ; v1(29.68,17.23) 29.56,17.34 28.44,17.34 28.22,17.57 27.66,17.57 27.44,17.34 25.91,17.34 25.87,17.39 ; v1(71.68,65.23) 71.56,65.34 70.44,65.34 70.22,65.57 69.66,65.57 69.44,65.34 67.92,65.34 U109.12
PWR_AUX_0: length 152.9
  Top w0.2: 48.2,15.6 46.59,15.6 v1(46.26,15.93) ; 62.2,31.6 60.59,31.6 v1(60.26,31.93) ; v1(46.26,63.93) 46.59,63.6 48.2,63.6 ; v1(18.26,31.93) 18.59,31.6 20.2,31.6 ; v1(18.26,47.93) 18.59,47.6 20.2,47.6 ; v1(46.26,47.93) 46.59,47.6 48.2,47.6 ; v1(4.26,63.93) 4.59,63.6 6.2,63.6 ; 62.2,15.6 60.59,15.6 v1(60.26,15.93) ; 62.2,63.6 60.59,63.6 v1(60.26,63.93) ; 6.2,47.6 4.59,47.6 v1(4.26,47.93) ; 6.2,15.6 4.59,15.6 v1(4.26,15.93) ; v1(32.26,47.93) 32.59,47.6 34.2,47.6 ; 6.2,31.6 4.59,31.6 v1(4.26,31.93) ; 34.2,15.6 32.59,15.6 v1(32.26,15.93) ; 48.2,31.6 46.59,31.6 v1(46.26,31.93) ; v1(60.26,47.93) 60.59,47.6 62.2,47.6 ; v1(32.26,31.93) 32.59,31.6 34.2,31.6 ; v1(32.26,63.93) 32.59,63.6 34.2,63.6 ; v1(18.26,63.93) 18.59,63.6 20.2,63.6 ; v1(18.26,15.93) 18.59,15.6 20.2,15.6
  Bottom w0.2: v1(18.26,63.93) 18.25,63.92 C113.1 18.3,63.37 21.77,63.37 21.81,63.42 22.19,63.42 22.21,63.4 U103.54 ; U107.54 50.21,63.4 50.19,63.42 49.81,63.42 49.77,63.37 46.3,63.37 C129.1 46.25,63.92 v1(46.26,63.93) ; 51.15,47.39 50.21,47.39 50.19,47.42 49.81,47.42 49.77,47.37 46.3,47.37 C169.1 46.25,47.92 v1(46.26,47.93) ; 23.15,47.39 22.21,47.39 22.19,47.42 21.81,47.42 21.77,47.37 18.3,47.37 C153.1 18.25,47.92 v1(18.26,47.93) ; v1(60.26,15.93) 60.25,15.92 C257.1 60.3,15.37 63.77,15.37 63.81,15.42 64.19,15.42 64.21,15.39 65.16,15.39 ; 37.15,15.39 36.21,15.39 36.19,15.42 35.81,15.42 35.77,15.37 32.3,15.37 C241.1 32.25,15.92 v1(32.26,15.93) ; U105.54 36.21,63.4 36.19,63.42 35.81,63.42 35.77,63.37 32.3,63.37 C121.1 32.25,63.92 v1(32.26,63.93) ; v1(60.26,47.93) 60.25,47.92 C177.1 60.3,47.37 63.77,47.37 63.81,47.42 64.19,47.42 64.21,47.39 65.16,47.39 ; v1(60.26,31.93) 60.25,31.92 C217.1 60.3,31.37 63.77,31.37 63.81,31.42 64.19,31.42 64.21,31.39 65.16,31.39 ; v1(32.26,47.93) 32.25,47.92 C161.1 32.3,47.37 35.77,47.37 35.81,47.42 36.19,47.42 36.21,47.39 37.15,47.39 ; v1(4.26,31.93) 4.25,31.92 C185.1 4.3,31.37 7.77,31.37 7.81,31.42 8.19,31.42 8.21,31.39 9.15,31.39 ; v1(60.26,63.93) 60.25,63.92 C137.1 60.3,63.37 63.77,63.37 63.81,63.42 64.19,63.42 64.21,63.4 U109.54 ; 9.15,15.39 8.21,15.39 8.19,15.42 7.81,15.42 7.77,15.37 4.3,15.37 C225.1 4.25,15.92 v1(4.26,15.93) ; 51.15,15.39 50.21,15.39 50.19,15.42 49.81,15.42 49.77,15.37 46.3,15.37 C249.1 46.25,15.92 v1(46.26,15.93) ; 51.15,31.39 50.21,31.39 50.19,31.42 49.81,31.42 49.77,31.37 46.3,31.37 C209.1 46.25,31.92 v1(46.26,31.93) ; v1(18.26,31.93) 18.25,31.92 C193.1 18.3,31.37 21.77,31.37 21.81,31.42 22.19,31.42 22.21,31.39 23.15,31.39 ; v1(4.26,47.93) 4.25,47.92 C145.1 4.3,47.37 7.77,47.37 7.81,47.42 8.19,47.42 8.21,47.39 9.15,47.39 ; 23.15,15.39 22.21,15.39 22.19,15.42 21.81,15.42 21.77,15.37 18.3,15.37 C233.1 18.25,15.92 v1(18.26,15.93) ; v1(32.26,31.93) 32.25,31.92 C201.1 32.3,31.37 35.77,31.37 35.81,31.42 36.19,31.42 36.21,31.39 37.15,31.39 ; v1(4.26,63.93) 4.25,63.92 C105.1 4.3,63.37 7.77,63.37 7.81,63.42 8.19,63.42 8.21,63.4 U101.54
